# Altium PCB 单相7.2V驱动.PcbDoc
Units mil, origin at the board's own origin, x right, y up, seen from the top; angles counter-clockwise.
Board outline 2620.14 x 2559.06 mil, 2 copper layers (Top Layer, Bottom Layer); 45 components, 33 nets, 138 pads, 49 vias.
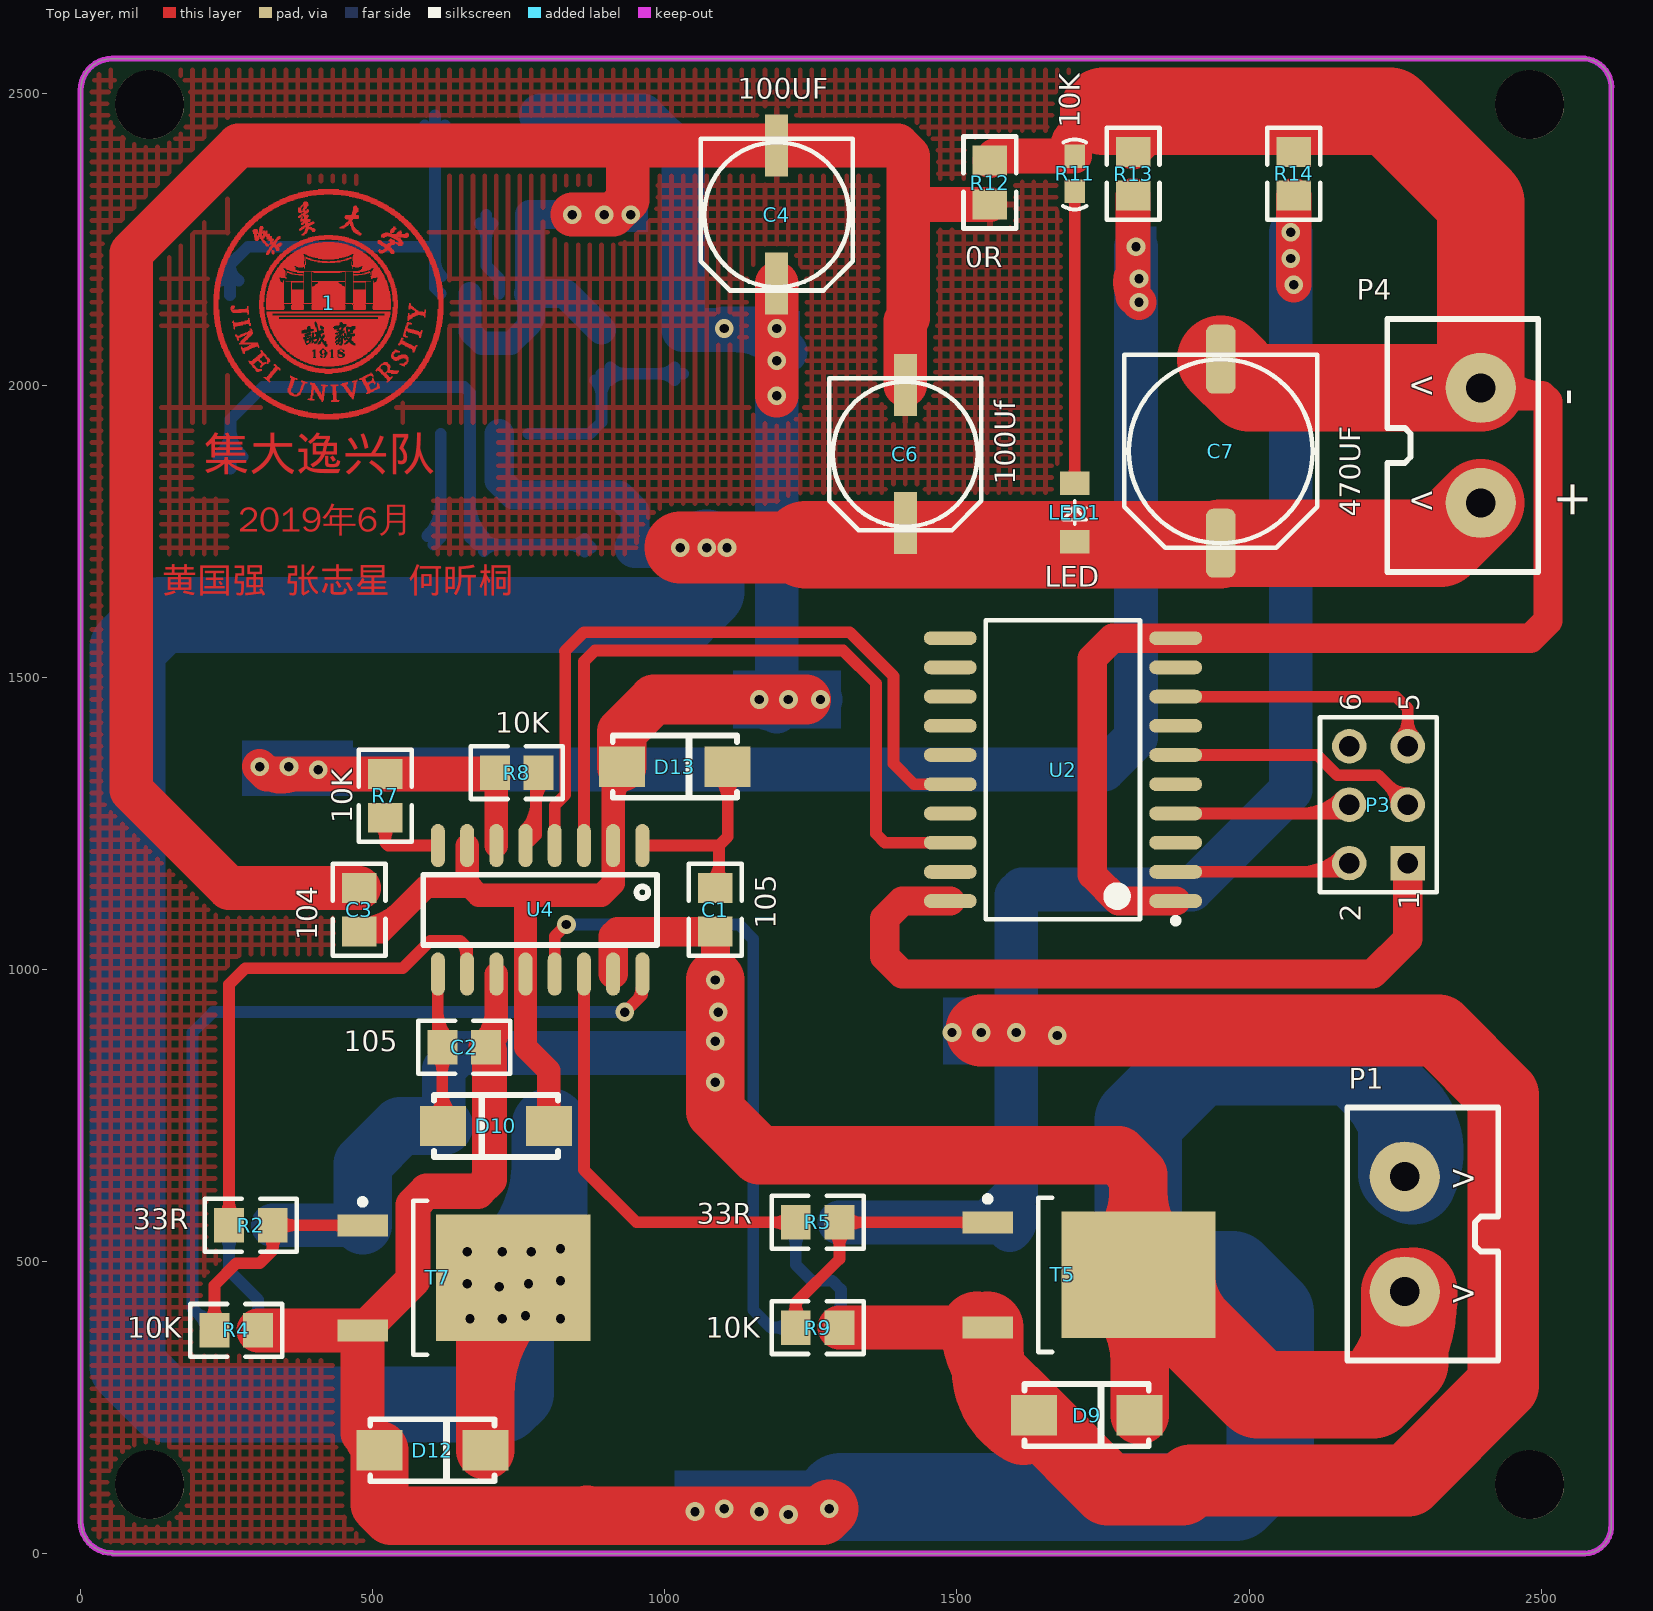
[diagram p0: Top Layer view]
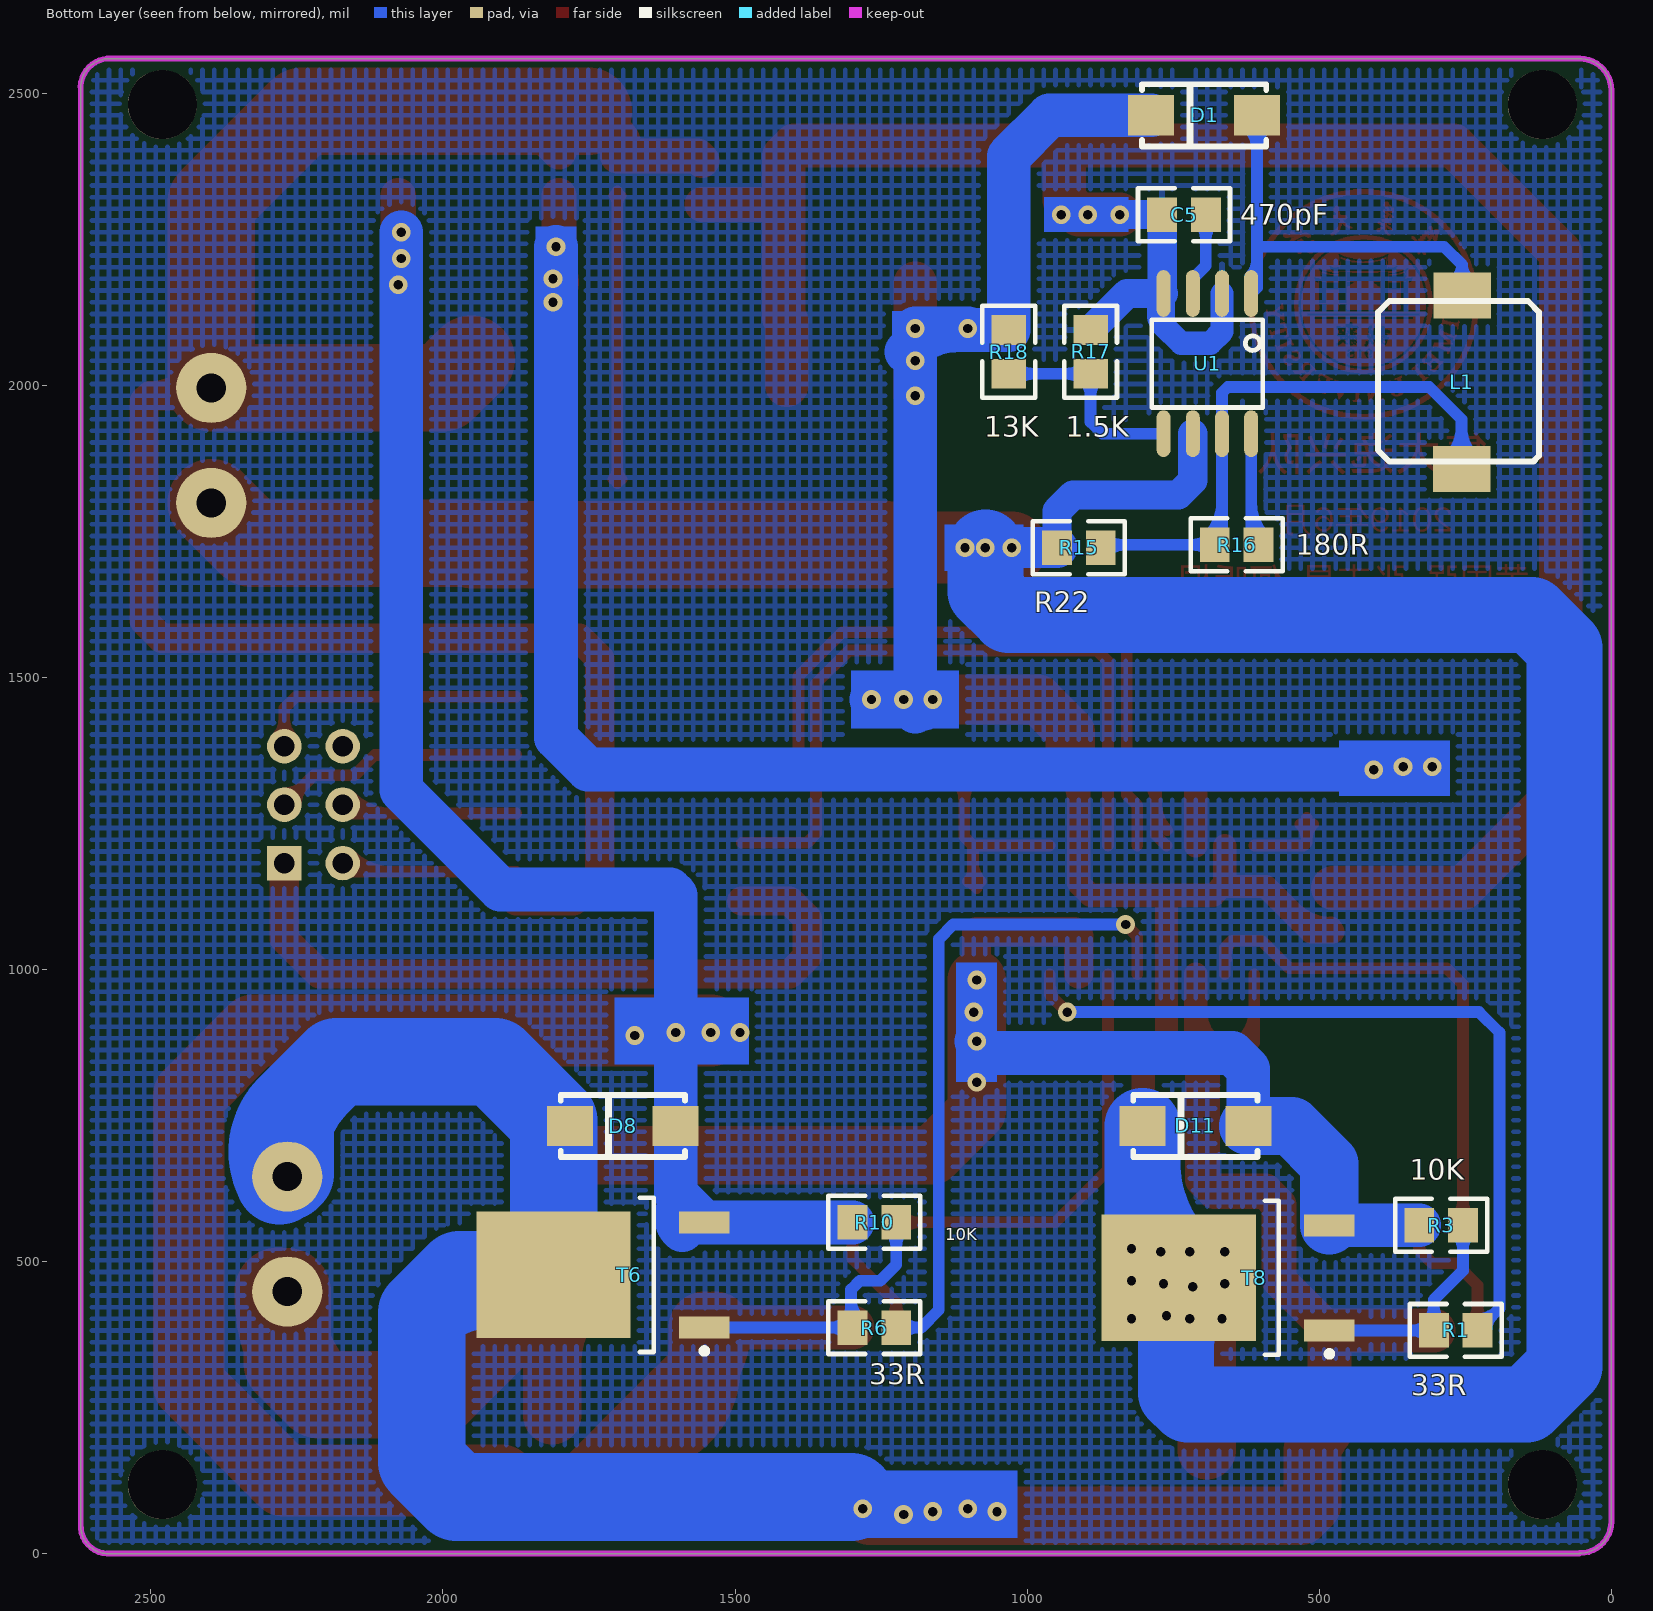
[diagram p1: Bottom Layer view, seen from below]
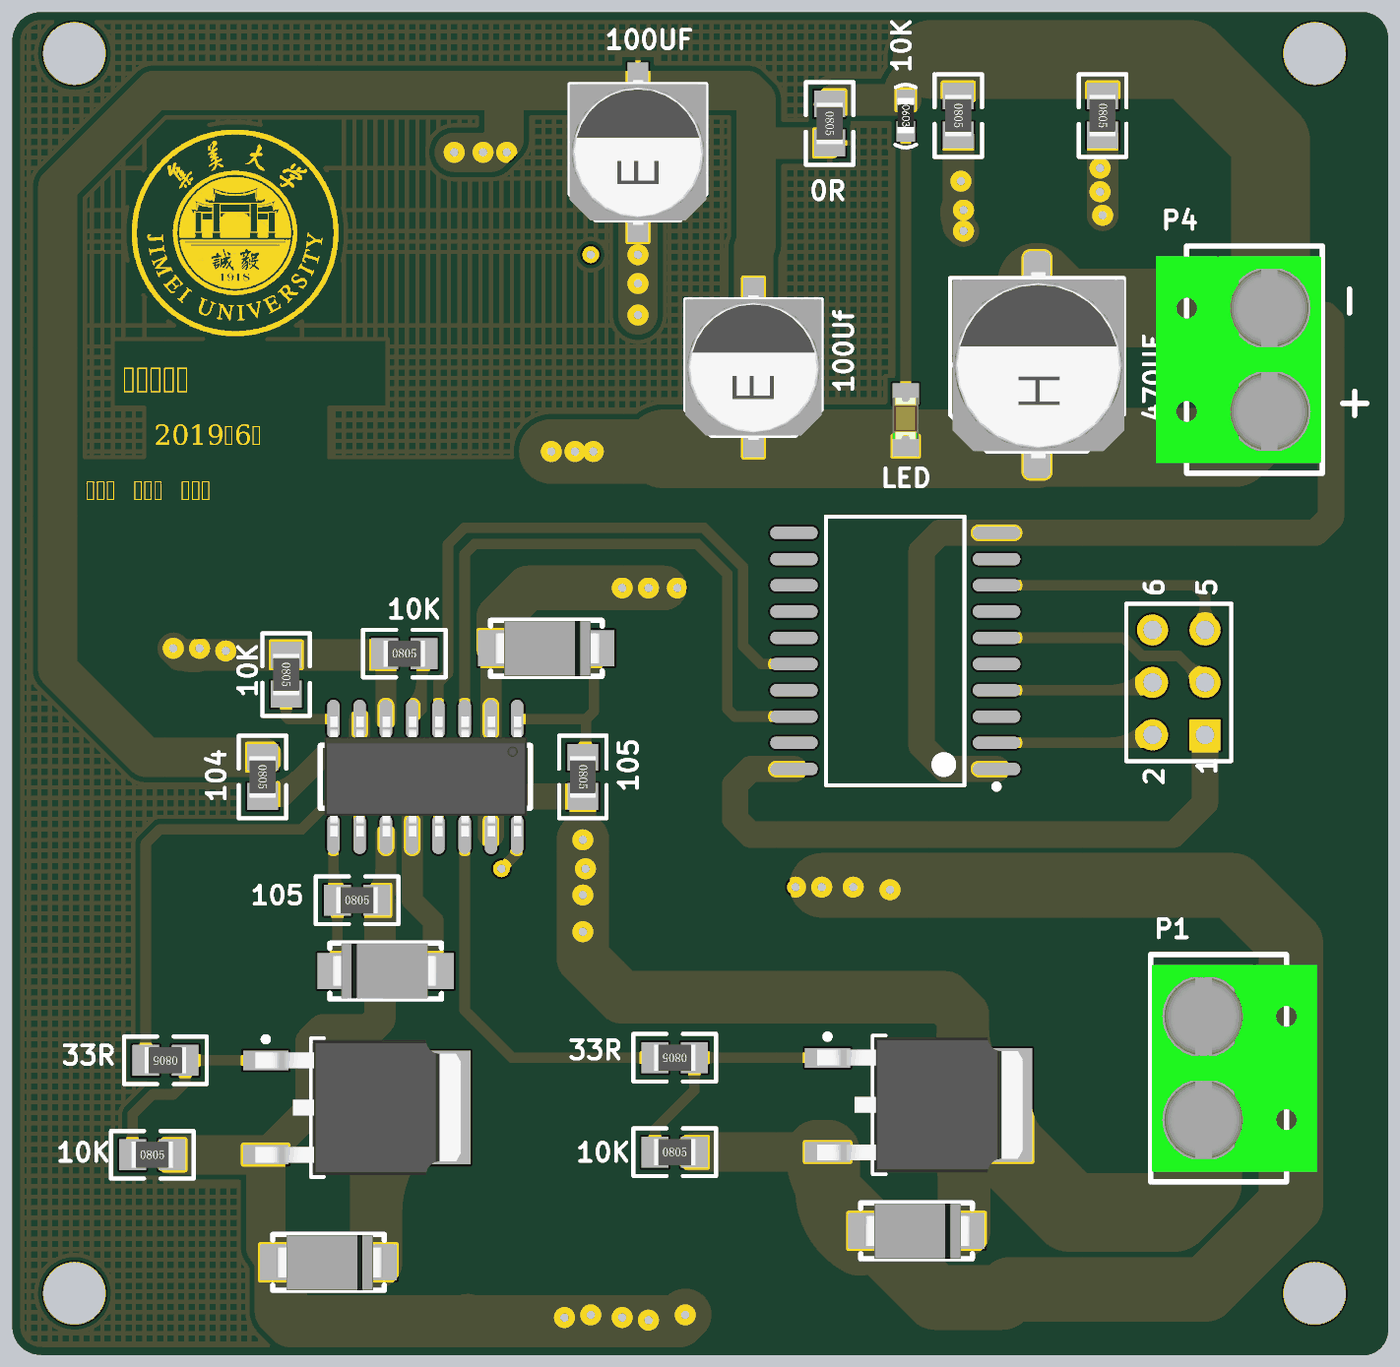
[diagram p2: 3D render of the assembled board from above, using the file's embedded part models]
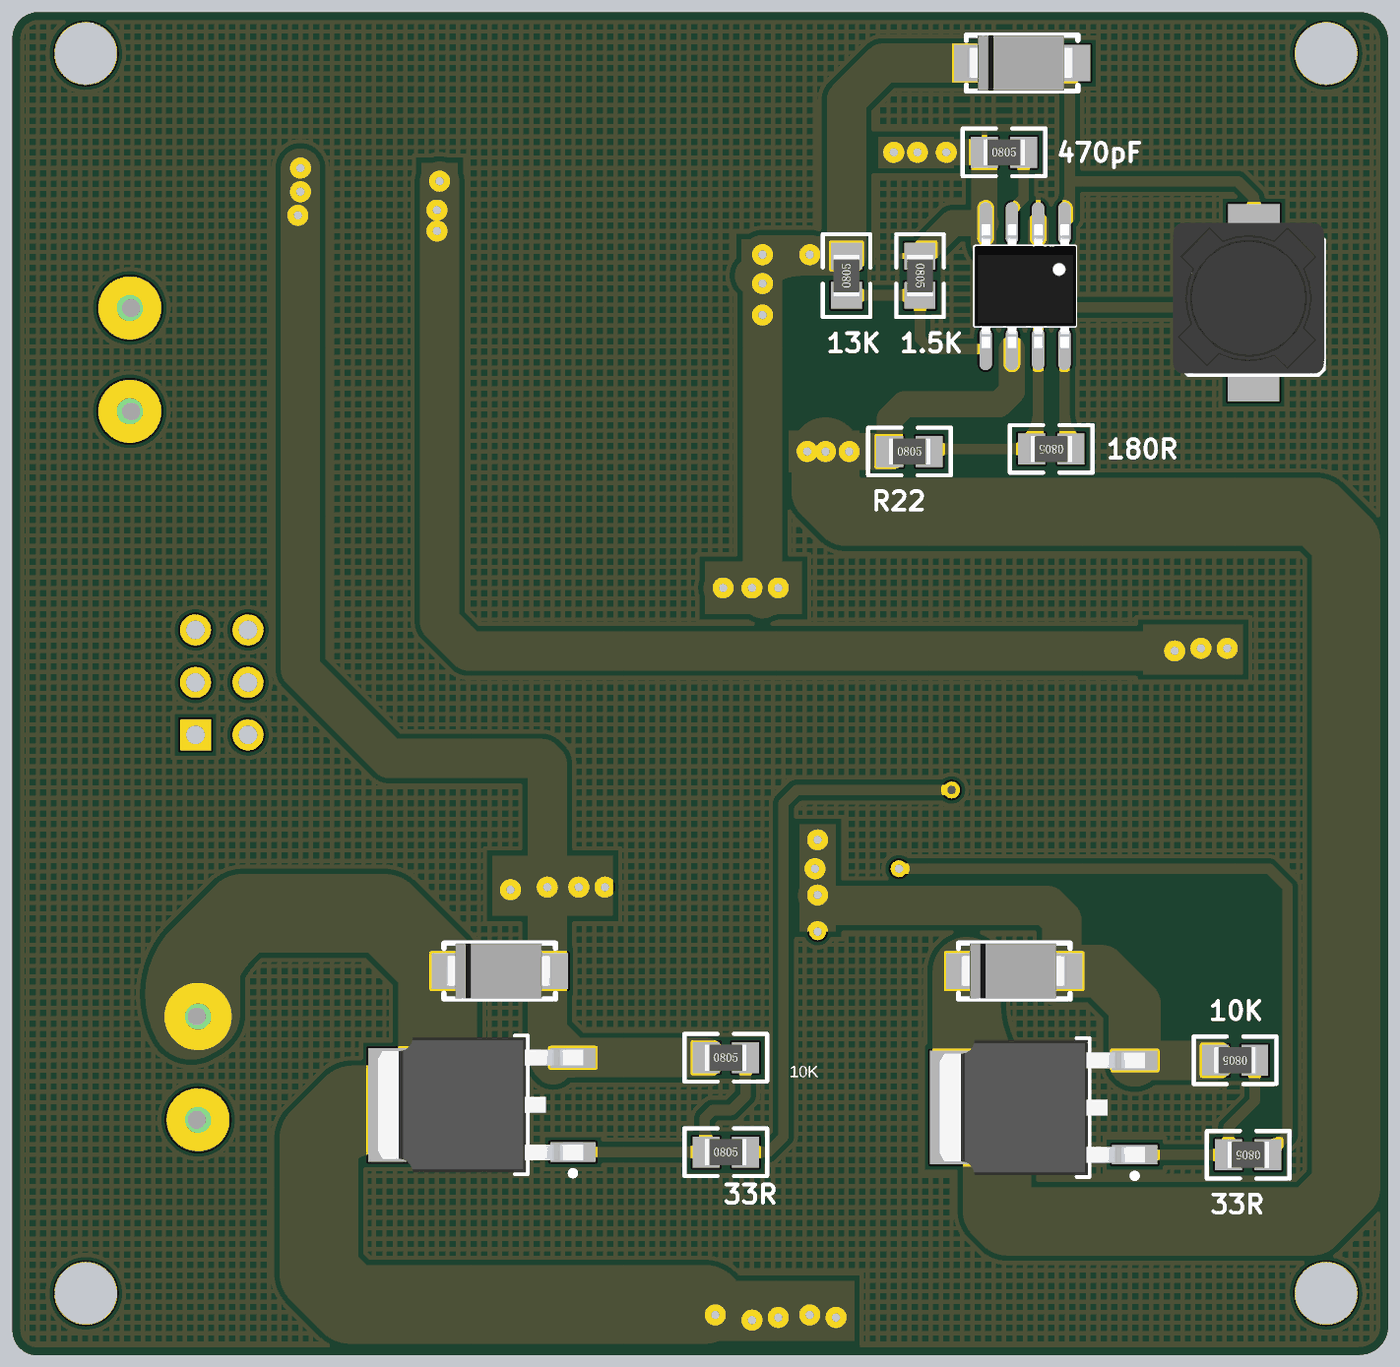
[diagram p3: 3D render of the assembled board from below, using the file's embedded part models]

## Layer stack, top to bottom
Top Layer: signal copper 1.4
Dielectric: dielectric 12.6, FR-4, Dk 4.8
Bottom Layer: signal copper 1.4

## Board outline
0,55 ccw(c54.06,55) 54.06,0.94 55,0 2575,0 ccw(c2572.5,47.5) 2620,50 2620,2505 ccw(c2570.47,2509.53) 2575,2559.06 54.06,2559.06 ccw(c54.06,2505) 0,2505

## Design rules (kind name [scope] priority, off if disabled: settings)
Clearance [All] p1: gap=10
PolygonConnect [All] p1: connectstyle=Relief reliefconductorwidth=10 reliefentries=4 polygonreliefangle="90 Angle"
RoutingVias [All] p1: holewidth=28 width=50 viastyle="Through Hole" minholewidth=28 minwidth=50 maxholewidth=28 maxwidth=50
SilkscreenOverComponentPads [All] p1: minsilkscreentomaskgap=10
SolderMaskExpansion [All] p1: expansion=4
Width power [InNetClass('power')] p1: maxlimit=150 minlimit=35 preferedwidth=35
Width [All] p2: maxlimit=20 minlimit=10 preferedwidth=10
27 further rules are at their usual default settings.

## Classes and differential pairs
net class power: 5V 7.2V 12V AGND DGND GND M1 M2 PGND1

## Components (designator, comment, footprint, x,y, rotation, side; value= is the part's Value field where it differs from the comment)
1 "LOGO(JMU)" JMU_logo（1） 425,2140 r0 top (schematic designator logo1)
C1 "105" 0805 1086.5,1102.05 r270 top
C2 "105" 0805 656.5,867.05 r0 top
C3 "104" 0805 476.5,1102.05 r270 top
C4 "100UF" ED6.3 1191.5,2292.05 r90 top
C5 "470pF" 0805 731.5,2292.05 r180 bottom
C6 "100Uf" ED6.3 1411.5,1882.05 r90 top
C7 "470UF" ED8 1951.5,1887.05 r90 top
D1 "1n4148" 二极管 701.5,2462.05 r0 bottom
D8 "1n4148" 二极管 1696.5,732.05 r0 bottom
D9 "1n4148" 二极管 1726.5,237.05 r0 top
D10 "1n4148" 二极管 706.5,732.05 r180 top
D11 "1n4148" 二极管 716.5,732.05 r0 bottom
D12 "1n4148" 二极管 606.5,177.05 r0 top
D13 "1n4148" 二极管 1021.5,1347.05 r0 top
L1 "220uH" 电感（220uh） 261.5,2007.05 r90 bottom
LED1 "LED" LED(0805) 1701.5,1782.05 r90 top
P1 "*" 接线端子 2266.5,547.05 r90 top
P3 "Header 3X2" HDR2X3 2271.5,1182.05 r90 top
P4 "*" 接线端子 2396.5,1897.05 r270 top
R1 "33R" 0805 266.5,382.05 r0 bottom
R2 "33R" 0805 291.5,562.05 r180 top
R3 "10K" 0805 291.5,562.05 r0 bottom
R4 "10K" 0805 266.5,382.05 r0 top
R5 "33R" 0805 1261.5,567.05 r180 top
R6 "33R" 0805 1261.5,387.05 r180 bottom
R7 "10K" 0805 521.5,1297.05 r270 top
R8 "10K" 0805 746.5,1337.05 r0 top
R9 "10K" 0805 1261.5,387.05 r0 top
R10 "10K" 0805 1261.5,567.05 r180 bottom
R11 "10K" 0603 1701.5,2362.05 r270 top
R12 "0R" 0805 1556.5,2347.05 r270 top
R13 "0R" 0805 1801.5,2362.05 r270 top
R14 "0R" 0805 2076.5,2362.05 r270 top
R15 "R22" 0805 911.5,1722.05 r180 bottom
R16 "180R" 0805 641.5,1727.05 r0 bottom
R17 "1.5K" 0805 891.5,2057.05 r270 bottom
R18 "13K" 0805 1031.5,2057.05 r90 bottom
T5 "IRLR7843" IRLR7843(MOS) 1681.5,477.05 r0 top
T6 "IRLR7843" IRLR7843(MOS) 1681.5,477.05 r0 bottom
T7 "IRLR7843" IRLR7843(MOS) 611.5,472.05 r0 top
T8 "IRLR7843" IRLR7843(MOS) 611.5,472.05 r0 bottom
U1 "MC34063" MA34063 686.5,2032.05 r270 bottom
U2 "74LS244" 74LS244D 1681.5,1342.05 r180 top
U4 "HIP4082I" HIP4082I 786.5,1102.05 r270 top

## Footprints (in the part's own frame and the unit in brackets; to place one, negate y for a bottom-side part, rotate by r counter-clockwise, add the part's x,y. Pads: shape width x height; smd on the part's side, far side on the other; paste and mask are expansions set on the pad)
74LS244D [mm]
  oval 2.3x0.6 smd: 1(-4.9,5.715) 2(-4.9,4.445) 3(-4.9,3.175) 4(-4.9,1.905) 5(-4.9,0.635) 6(-4.9,-0.635) 7(-4.9,-1.905) 8(-4.9,-3.175) 9(-4.9,-4.445) 10(-4.9,-5.715) 11(4.9,-5.715) 12(4.9,-4.445) 13(4.9,-3.175) 14(4.9,-1.905) 15(4.9,-0.635) 16(4.9,0.635) 17(4.9,1.905) 18(4.9,3.175) 19(4.9,4.445) 20(4.9,5.715)
  silkscreen extent -5.03,-6.5 3.35,6.69, body extent -3.8,-6.5 3.8,6.5, height 2.65
0603 [mil]
  rect 40x35 smd: 1(-30,0) 2(30,0)
  silkscreen extent -59,-20 61,20, body extent -33,-16 33,16, height 22
0805 [mm]
  rect 1.3x1.5 smd: 1(-0.95,0) 2(0.95,0)
  silkscreen extent -2,-1.15 2,1.15, body extent -1,-0.63 1,0.63, height 0.55
ED6.3 [mm]
  rect 2.7x1 smd: 1(-3,0) 2(3,0)
  silkscreen extent -3.3,-3.3 3.3,3.3, body extent -3.5,-3.3 3.5,3.3, height 5.2
ED8 [mm]
  rrect50% 3x1.3 smd: 1(-4,0) 2(4,0)
  silkscreen extent -4.2,-4.2 4.2,4.2, body extent -4.52,-4.22 4.48,4.08, height 10.5
HDR2X3 [mm] "Connector; Header; 3x2"
  rect 1.5x1.5 hole 0.9: 1(0,0)
  round 1.5 hole 0.9: 2(0,2.54) 3(2.54,0) 4(2.54,2.54) 5(5.08,0) 6(5.08,2.54)
  silkscreen extent -1.27,-1.27 6.35,3.81
HIP4082I [mil]
  oval 74x24 smd: 1(-110,175) 2(-110,125) 3(-110,75) 4(-110,25) 5(-110,-25) 6(-110,-75) 7(-110,-125) 8(-110,-175) 9(110,-175) 10(110,-125) 11(110,-75) 12(110,-25) 13(110,25) 14(110,75) 15(110,125) 16(110,175)
  silkscreen extent -60,-200 60,200, body extent -115,-192 113,194, height 69
IRLR7843(MOS) [mm]
  rect 2.2x0.95 smd: 1(-3.275,2.28) 3(-3.275,-2.28)
  rect 6.7x5.5 smd: 2(3.275,0)
  silkscreen extent -3.4,-3.35 -0.48,3.43, body extent -3.78,-3.27 6.16,3.27, height 2.39
JMU_logo（1） [mil]
  Top Layer region: 917 vertices and 1 holes, not listed, extent -197.2,-197.9 195.8,195.1
  Top Layer region: 557 vertices and 1 holes, not listed, extent -119.2,-119.9 117.8,117.1
  Top Layer region: 309 vertices and 19 holes, not listed, extent -107.2,-10.9 105.8,105.1
  Top Layer region: 261 vertices and 22 holes, not listed, extent -106.2,-107.9 104.8,-13.9
  Top Layer region: 251 vertices and 0 holes, not listed, extent 83.8,85.1 136.8,124.1
  Top Layer region: 219 vertices and 1 holes, not listed, extent -130.2,83.1 -83.2,132.1
  Top Layer region: 241 vertices and 4 holes, not listed, extent -52.2,117.1 -25.2,174.1
  Top Layer region: 155 vertices and 0 holes, not listed, extent 18.8,117.1 55.8,167.1
  Top Layer region: 195 vertices and 0 holes, not listed, extent -160.2,-85.9 -119.2,-42.9
  Top Layer region: 139 vertices and 1 holes, not listed, extent 79.8,-134.9 119.8,-100.9
  Top Layer region: -29.2,-136.9 -24.2,-136.9 -24.2,-137.9 -23.2,-137.9 -23.2,-139.9 -22.2,-139.9 -22.2,-141.9 -21.2,-141.9 -21.2,-142.9 -20.2,-142.9 -20.2,-144.9 -19.2,-144.9 -19.2,-145.9 -18.2,-145.9 -18.2,-147.9 -17.2,-147.9 -17.2,-149.9 -16.2,-149.9 -16.2,-150.9 -15.2,-150.9 -15.2,-152.9 -14.2,-152.9 -14.2,-154.9 -13.2,-154.9 -13.2,-155.9 -12.2,-155.9 -12.2,-157.9 -11.2,-157.9 -11.2,-149.9 -10.2,-149.9 -10.2,-140.9 -13.2,-140.9 -13.2,-138.9 -6.2,-138.9 -6.2,-139.9 -2.2,-139.9 -2.2,-140.9 -3.2,-140.9 -3.2,-141.9 -6.2,-141.9 -6.2,-143.9 -7.2,-143.9 -7.2,-149.9 -8.2,-149.9 -8.2,-157.9 -9.2,-157.9 -9.2,-165.9 -10.2,-165.9 -10.2,-167.9 -12.2,-167.9 -12.2,-165.9 -13.2,-165.9 -13.2,-164.9 -14.2,-164.9 -14.2,-162.9 -15.2,-162.9 -15.2,-161.9 -16.2,-161.9 -16.2,-159.9 -17.2,-159.9 -17.2,-157.9 -18.2,-157.9 -18.2,-156.9 -19.2,-156.9 -19.2,-154.9 -20.2,-154.9 -20.2,-153.9 -21.2,-153.9 -21.2,-151.9 -22.2,-151.9 -22.2,-149.9 -23.2,-149.9 -23.2,-147.9 -24.2,-147.9 -24.2,-146.9 -25.2,-146.9 -25.2,-144.9 -26.2,-144.9 -26.2,-148.9 -27.2,-148.9 -27.2,-156.9 -28.2,-156.9 -28.2,-163.9 -25.2,-163.9 -25.2,-165.9 -33.2,-165.9 -33.2,-164.9 -36.2,-164.9 -36.2,-163.9 -35.2,-163.9 -35.2,-162.9 -32.2,-162.9 -32.2,-161.9 -31.2,-161.9 -31.2,-156.9 -30.2,-156.9 -30.2,-148.9 -29.2,-148.9 -29.2,-141.9 -28.2,-141.9 -28.2,-140.9 -29.2,-140.9 -29.2,-138.9 -31.2,-138.9 -31.2,-137.9 -32.2,-137.9 -32.2,-135.9 -29.2,-135.9
  Top Layer region: 177 vertices and 0 holes, not listed, extent 51.8,-154.9 86.8,-118.9
  Top Layer region: 215 vertices and 0 holes, not listed, extent -137.2,-116.9 -100.2,-79.9
  Top Layer region: -65.2,-124.9 -63.2,-124.9 -63.2,-125.9 -60.2,-125.9 -60.2,-126.9 -58.2,-126.9 -58.2,-127.9 -55.2,-127.9 -55.2,-128.9 -54.2,-128.9 -54.2,-130.9 -56.2,-130.9 -56.2,-129.9 -58.2,-129.9 -58.2,-130.9 -59.2,-130.9 -59.2,-132.9 -60.2,-132.9 -60.2,-135.9 -61.2,-135.9 -61.2,-138.9 -62.2,-138.9 -62.2,-140.9 -63.2,-140.9 -63.2,-143.9 -64.2,-143.9 -64.2,-146.9 -65.2,-146.9 -65.2,-151.9 -64.2,-151.9 -64.2,-152.9 -63.2,-152.9 -63.2,-153.9 -62.2,-153.9 -62.2,-154.9 -60.2,-154.9 -60.2,-155.9 -54.2,-155.9 -54.2,-154.9 -53.2,-154.9 -53.2,-153.9 -52.2,-153.9 -52.2,-152.9 -51.2,-152.9 -51.2,-151.9 -50.2,-151.9 -50.2,-149.9 -49.2,-149.9 -49.2,-146.9 -48.2,-146.9 -48.2,-143.9 -47.2,-143.9 -47.2,-141.9 -46.2,-141.9 -46.2,-138.9 -45.2,-138.9 -45.2,-134.9 -46.2,-134.9 -46.2,-133.9 -47.2,-133.9 -47.2,-131.9 -45.2,-131.9 -45.2,-132.9 -42.2,-132.9 -42.2,-133.9 -40.2,-133.9 -40.2,-134.9 -37.2,-134.9 -37.2,-136.9 -41.2,-136.9 -41.2,-137.9 -42.2,-137.9 -42.2,-139.9 -43.2,-139.9 -43.2,-141.9 -44.2,-141.9 -44.2,-144.9 -45.2,-144.9 -45.2,-147.9 -46.2,-147.9 -46.2,-149.9 -47.2,-149.9 -47.2,-151.9 -48.2,-151.9 -48.2,-153.9 -49.2,-153.9 -49.2,-155.9 -51.2,-155.9 -51.2,-156.9 -52.2,-156.9 -52.2,-157.9 -54.2,-157.9 -54.2,-158.9 -60.2,-158.9 -60.2,-157.9 -63.2,-157.9 -63.2,-156.9 -65.2,-156.9 -65.2,-155.9 -67.2,-155.9 -67.2,-154.9 -68.2,-154.9 -68.2,-153.9 -69.2,-153.9 -69.2,-151.9 -70.2,-151.9 -70.2,-144.9 -69.2,-144.9 -69.2,-141.9 -68.2,-141.9 -68.2,-138.9 -67.2,-138.9 -67.2,-136.9 -66.2,-136.9 -66.2,-133.9 -65.2,-133.9 -65.2,-130.9 -64.2,-130.9 -64.2,-126.9 -66.2,-126.9 -66.2,-123.9 -65.2,-123.9
  Top Layer region: 138.8,-0.9 139.8,-0.9 139.8,-3.9 140.8,-3.9 140.8,-4.9 142.8,-4.9 142.8,-5.9 143.8,-5.9 143.8,-6.9 144.8,-6.9 144.8,-7.9 145.8,-7.9 145.8,-8.9 147.8,-8.9 147.8,-9.9 148.8,-9.9 148.8,-10.9 149.8,-10.9 149.8,-11.9 150.8,-11.9 150.8,-12.9 152.8,-12.9 152.8,-13.9 160.8,-13.9 160.8,-14.9 162.8,-14.9 162.8,-13.9 163.8,-13.9 163.8,-10.9 165.8,-10.9 165.8,-15.9 164.8,-15.9 164.8,-23.9 162.8,-23.9 162.8,-20.9 161.8,-20.9 161.8,-19.9 156.8,-19.9 156.8,-18.9 151.8,-18.9 151.8,-19.9 149.8,-19.9 149.8,-20.9 147.8,-20.9 147.8,-21.9 145.8,-21.9 145.8,-22.9 143.8,-22.9 143.8,-23.9 142.8,-23.9 142.8,-24.9 140.8,-24.9 140.8,-25.9 138.8,-25.9 138.8,-26.9 137.8,-26.9 137.8,-27.9 136.8,-27.9 136.8,-29.9 134.8,-29.9 134.8,-21.9 135.8,-21.9 135.8,-16.9 137.8,-16.9 137.8,-19.9 139.8,-19.9 139.8,-18.9 141.8,-18.9 141.8,-17.9 143.8,-17.9 143.8,-16.9 145.8,-16.9 145.8,-15.9 147.8,-15.9 147.8,-14.9 148.8,-14.9 148.8,-13.9 147.8,-13.9 147.8,-12.9 146.8,-12.9 146.8,-11.9 144.8,-11.9 144.8,-10.9 143.8,-10.9 143.8,-9.9 142.8,-9.9 142.8,-8.9 140.8,-8.9 140.8,-7.9 138.8,-7.9 138.8,-9.9 136.8,-9.9 136.8,-3.9 137.8,-3.9 137.8,0.1 138.8,0.1